# KiCad board Soldered Inkplate 4 TEMPERA with glass panel_panel.kicad_pcb (continued)
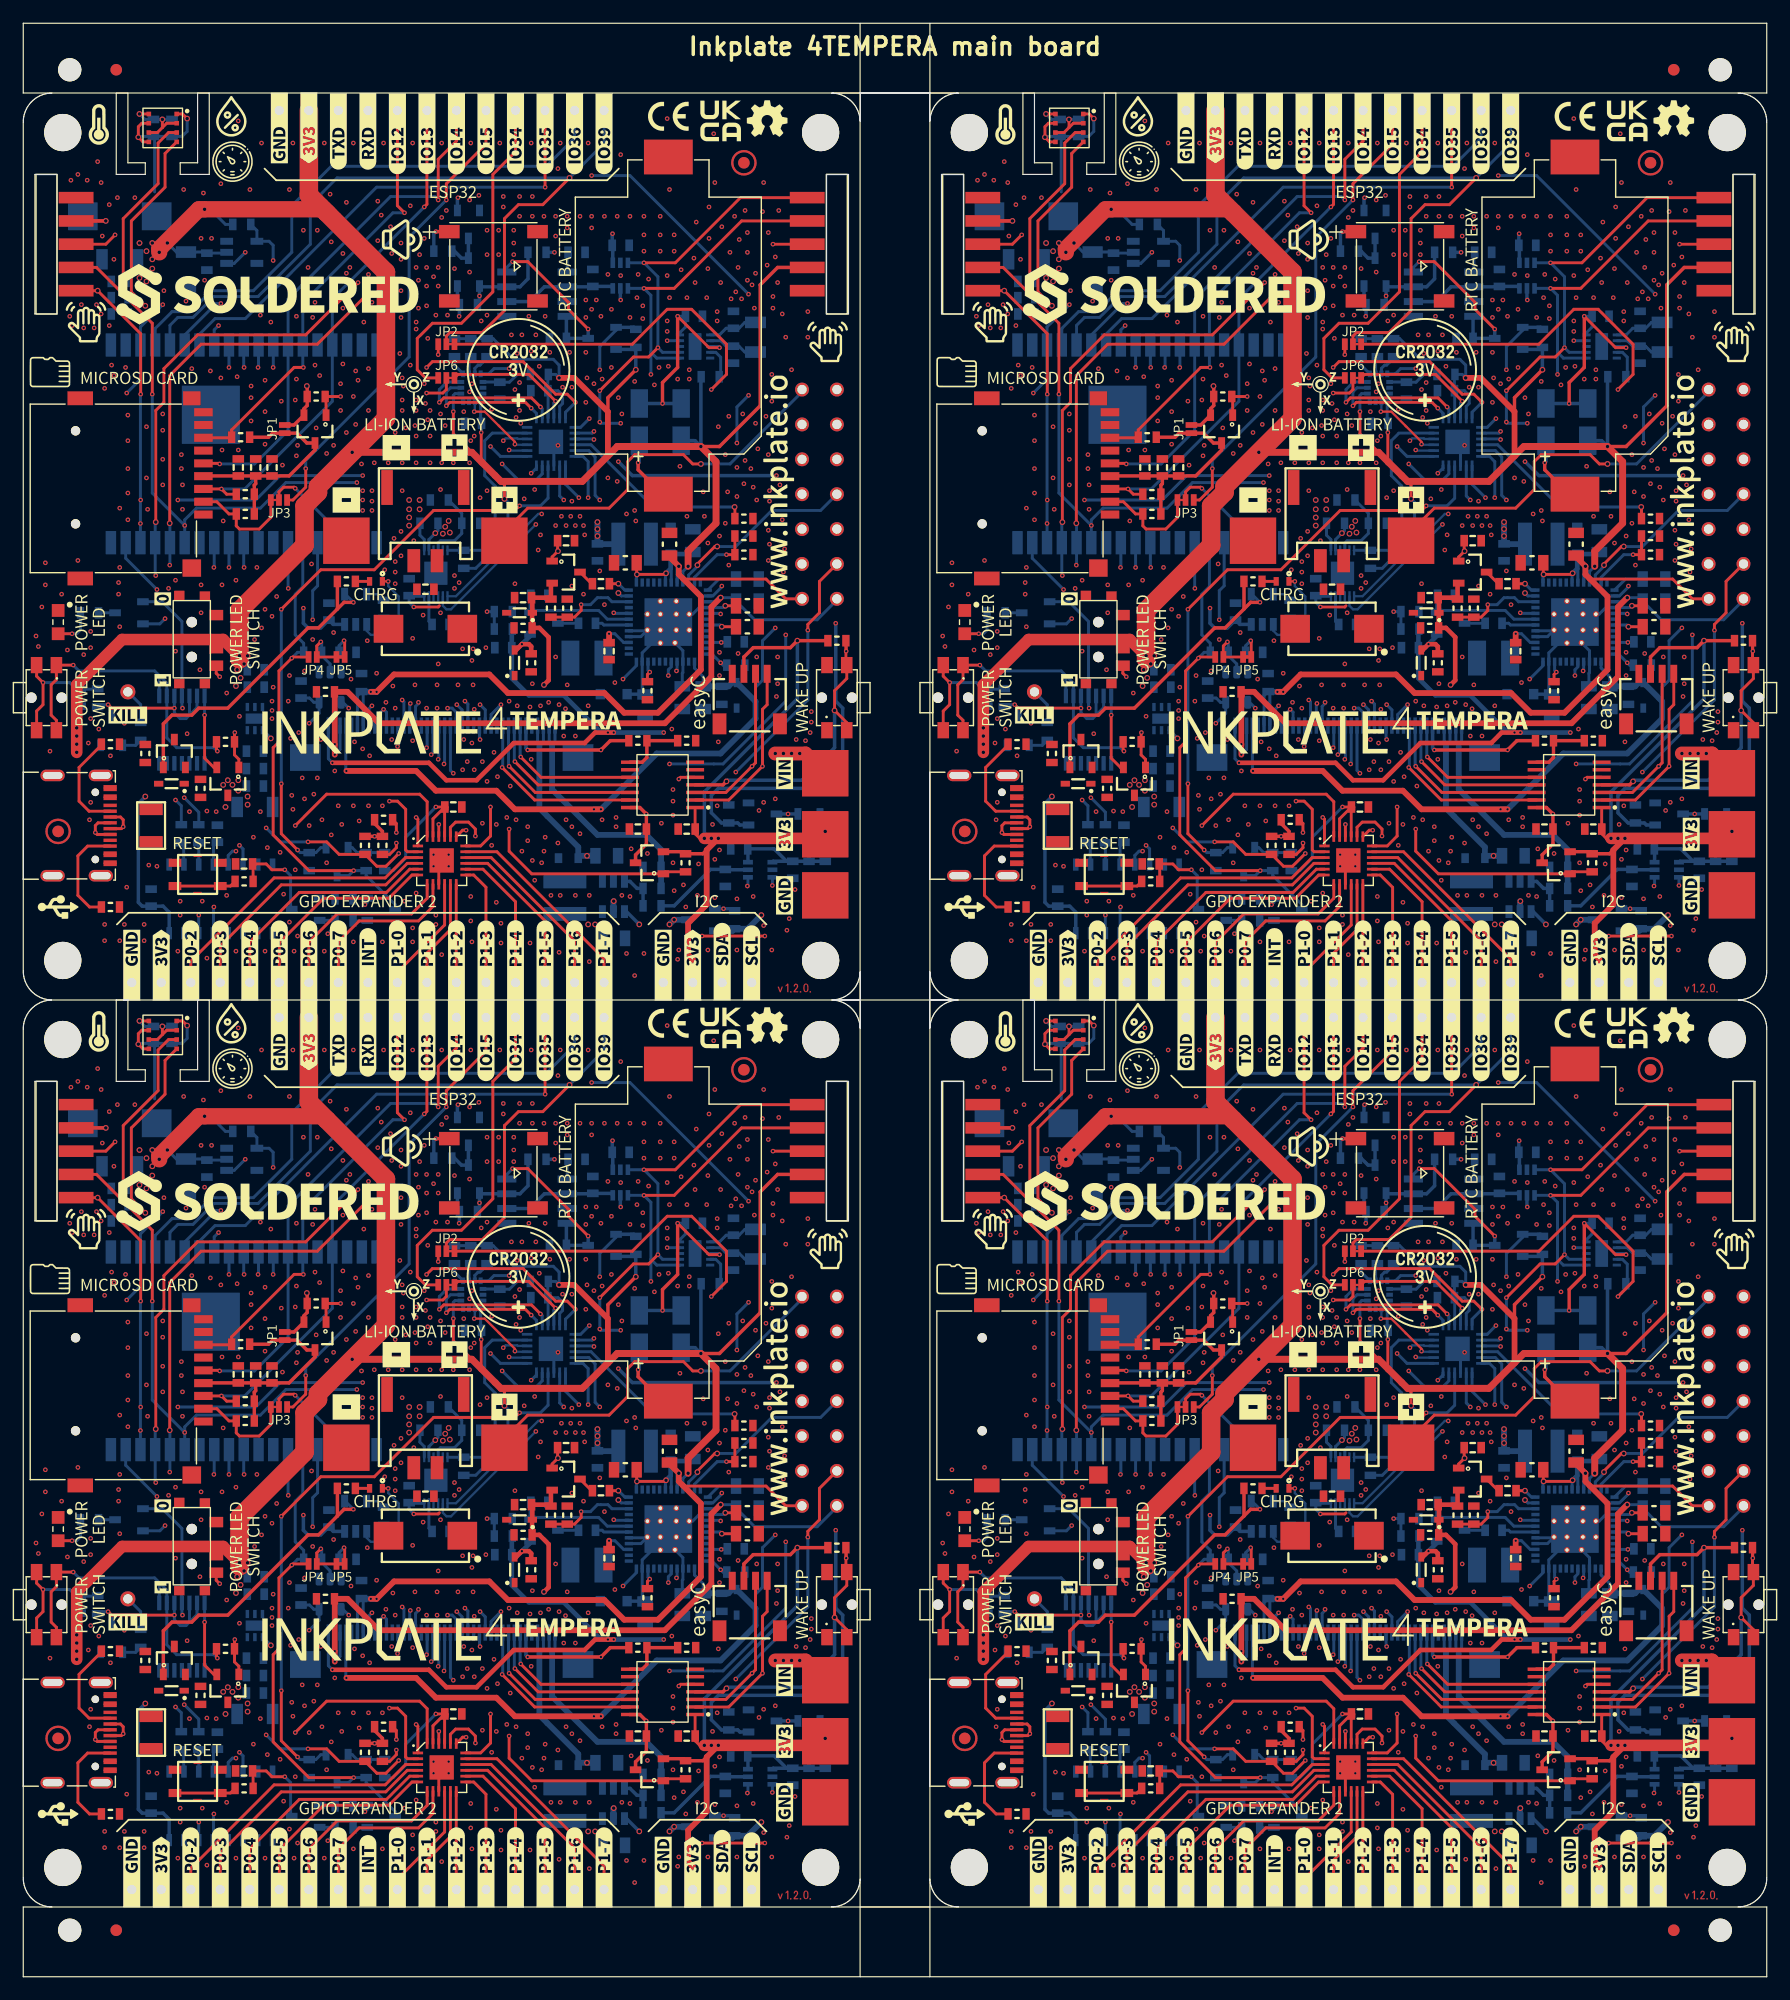
[diagram p0: board, top side]
## Routing (per net, layer and track width the routed paths; a pad name or vN(x,y) marks a point on that pad's centre or on a via; arc(x,y) is an arc through that point) (continued)
  Bottom w0.3: Q14#2.2 37.35,143.98 R61#4.2 37.53,142.83 v1(37.5,142.8) ; U18.8 46.73,142.73 C66#4.2 Q13#2.3 v1(48.6,141.7) ; U16#2.1 50.72,148.85 C60#2.2 50.67,149.87 v1(50.7,149.9)
Board_0-3V3_MICROSD: length 20.6
  Top w0.3: R44#4.2 21.1,132.4 21.45,132.75 JP1.1 23.55,132.75 24.4,131.9 Q8#2.3 25.1,131.3 22.87,129.07 C39#3.2 C40.2 ; K10#2.4 15.52,129.07 C41.2 C40.2 ; C40.2 20,128.4 19.88,128.28 R43.2 R42#3.2
Board_0-3V3_RTC: length 19.7
  Top w0.254: v1(59.9,140.1) 59,140.1 v1(56.3,142.8)
  Top w0.3: v1(56.3,142.8) 56.3,138.4 55,137.1 v1(55,135.3)
  Bottom w0.254: U8#2.10 56.5,141.4 56.97,141.87 C38#4.2 v1(56.3,142.8) ; U8#2.3 59.8,140.2 v1(59.9,140.1)
  Bottom w0.3: D12.2 D11#4.2
Board_0-3V3_TOUCH: length 24.5
  Top w0.3: v1(43.4,105.5) v1(49.7,105.5) 50.5,106.3 R46#2.2 ; U10.14 53.05,100.55 53.61,99.99 C49#4.1 53.61,97.41 52.68,96.48 Q11.3
  In2.Cu w0.3: v1(53.6,100) 53.6,101.6 v1(49.7,105.5)
  Bottom w0.3: K12#4.6 43.25,105.65 v1(43.4,105.5)
Board_0-/CTRL & COMS/BIN: length 6.3
  Bottom w0.254: U5#2.10 35.7,123.3 35.9,123.5 37.1,123.5 37.73,124.13 R28#2.1 37.73,125.85 R25.2
Board_0-/CTRL & COMS/CH_RXD: length 1.9
  Bottom w0.254: U6.3 15.1,95.66 R34#3.1
Board_0-/CTRL & COMS/CH_TXD: length 2
  Bottom w0.254: U6.2 13.8,95.68 13.8,97.33 R35#2.1
Board_0-/CTRL & COMS/DTR: length 17.2
  In1.Cu w0.254: v1(29.4,92.2) 16.6,92.2 v1(16.4,92)
  Bottom w0.254: R29#4.2 28.43,92.75 Q3#3.2 29.6,92.4 v1(29.4,92.2) ; U6.13 16.37,91.97 v1(16.4,92)
Board_0-/CTRL & COMS/RTS: length 16
  In1.Cu w0.254: v1(15.1,91.3) 24.6,91.3 v1(26.2,89.7)
  Bottom w0.254: v1(15.1,91.3) 15.1,91.3 U6.14 ; v1(26.2,89.7) 26.83,90.33 R30#4.2 26.78,90.85 Q2#3.2
Board_0-/E-paper/DAC_OUT: length 8.8
  Bottom w0.3: R50#3.2 56,92.1 59.13,95.23 C48#4.2 60.43,95.2 U9.5
Board_0-/MCU & GPIO Expanders/GPIO34: length 28.8
  Top w0.254: JP6#3.2 36.4,136.5 36.1,136.2 v1(34.7,136.2)
  In1.Cu w0.254: v1(34.7,136.2) 29,136.2 21.3,143.9 v1(17,143.9)
  Bottom w0.254: v1(17,143.9) 16.6,143.9 13.89,141.19 U14#3.6
Board_0-/MCU & GPIO Expanders/INTB: length 11.8
  Top w0.254: v1(45.8,135.5) 43.5,137.8 v1(43,137.8) 37.4,137.8 JP6#3.1
  Bottom w0.254: v1(43,137.8) 43.53,137.8 ; v1(45.8,135.5) 45.65,135.35 U13.22
Board_0-/POWER/INT_LDO: length 2.2
  Top w0.254: v2(60.1,116.1) 61.03,116.1
  Bottom w0.254: v2(60.1,116.1) 59.95,116.25 U1.7
Board_0-/POWER/TS: length 6.3
  Top w0.254: R12#3.2 R11.2 v1(60.5,122.3)
  Bottom w0.254: U1.47 57.75,120.35 59.7,122.3 v1(60.5,122.3)
Board_0-/POWER/VB: length 10.7
  Top w0.254: v2(55.3,120.7) 55.2,120.6 v2(52.8,120.6) 52.78,120.63 C12#4.2
  Bottom w0.254: v2(52.8,120.6) 52.75,120.55 U1.37 ; U1.43 55.75,121.05 55.7,121.1 55.25,120.65 U1.42
  Bottom w0.4: v2(55.3,120.7) 55.7,121.1 D2#2.1 57.43,122.35 C11.2
Board_0-/POWER/VN: length 19
  Top w0.254: C3#3.2 v2(60.4,117.9)
  Bottom w0.254: U1.28 53.14,115.25 U1.49 53.64,115.75 U1.29 ; 53.48,110.3 C5#3.2 53.25,110.53 U1.23 53.25,113.85 54.1,114.7 U1.49 ; U1.49 57.59,117.19 58.15,117.75 U1.4 60.25,117.75 v2(60.4,117.9) ; C8#2.2 56.7,112.1 56.75,112.15 U1.16 56.75,114.04 U1.49
  Bottom w0.3: D1#4.2 53.48,110.3
Board_0-/POWER/VREF: length 2.8
  Bottom w0.254: U1.1 59.85,120.2 C1#3.2
Board_0-/SD & RTC/X1: length 4.3
  Bottom w0.254: X1#4.1 62.09,142.28 61.58,141.77 C36.2 60.47,141.77 59.9,141.2 U8#2.1
Board_0-/SD & RTC/X2: length 4.3
  Bottom w0.254: U8#2.2 60,140.7 60.47,140.23 C37#2.2 61.57,140.23 62.08,139.73 X1#4.2
Board_0-BACKLIGHT_EN: length 68.7
  In1.Cu w0.3: v1(64.8,129.1) 67.8,129.1 68.5,128.4 68.5,117.8 v1(69.9,116.4)
  In2.Cu w0.3: v1(51.2,130.3) 44.7,130.3 v1(43.7,129.3)
  Bottom w0.254: v1(43.7,129.3) 44.15,129.75 U13.12
  Bottom w0.3: v1(64.8,129.1) 52.4,129.1 v1(51.2,130.3) ; Q10.1 61.65,99.05 61.48,99.23 R51#4.2 60.08,99.23 59.2,100.1 59.2,101.6 59.8,102.2 67.3,102.2 70.5,105.4 70.5,109.1 69.9,109.7 v1(69.9,116.4)
Board_0-BCK_ANODE: length 22.7
  In1.Cu w0.5: v2(50.8,92.5) 48.5,94.8 v2(48.5,96.4)
  Bottom w0.254: K12#4.4 44.25,106.05 44.4,105.9 44.75,106.25 K12#4.3
  Bottom w0.5: v2(50.8,92.5) 50.78,92.48 U12#2.5 ; v2(48.5,96.4) C50#3.2 47.95,96.4 D13.2 47.75,97.15 44.4,100.5 44.4,105.9
Board_0-BCK_CATHODE: length 22.3
  Bottom w0.254: K12#4.2 45.25,106.15 45.5,105.9 45.75,106.15 K12#4.1
  Bottom w0.5: R49.1 R48#4.2 54.88,96.93 53.6,98.2 49.4,98.2 45.5,102.1 45.5,105.9
Board_0-BCK_MOS: length 14.1
  In1.Cu w0.3: v1(65.8,100) 60.25,94.45 v1(60.25,91.85)
  Bottom w0.3: Q9.1 v1(65.8,100) Q10.3 ; Q12.1 61.03,91.85 R53.1
Board_0-BUZZER_EN: length 20.5
  In1.Cu w0.254: v1(41.8,131.3) 41.8,135.2 44.8,138.2 v1(49.6,138.2)
  Bottom w0.2: U13.14 41.85,131.25
  Bottom w0.254: v1(49.6,138.2) 49.6,140.2 51,141.6 Q13#2.1 ; v1(41.8,131.3) 41.85,131.25
  Bottom w0.3: Q13#2.1 52.53,141.85 R60.2
Board_0-CLKOUT_RTC: length 22.2
  Top w0.254: v1(35.7,139.5) JP2#4.1
  In1.Cu w0.254: v1(55.4,140.7) 36.9,140.7 v1(35.7,139.5)
  Bottom w0.254: U8#2.9 v1(55.4,140.7)
Board_0-D+: length 17.8
  Top w0.254: K2#2.B6 6.36,98.24 v1(6.2,98.4) 6.2,99 6.44,99.24 K2#2.A6
  In1.Cu w0.254: v1(6.2,98.4) 7.9,98.4 9.67,96.64 18.14,96.64 v1(18.3,96.8)
  Bottom w0.254: v1(18.3,96.8) 18,96.8 17.64,96.44 U6.5
Board_0-D-: length 15.5
  Top w0.254: K2#2.B7 8.36,99.74 8.6,99.5 v1(8.6,98.9) 8.44,98.74 K2#2.A7
  In1.Cu w0.254: v1(8.6,98.9) 10.2,97.3 v1(18.6,97.3)
  Bottom w0.254: v1(18.6,97.3) 18.91,97 U6.6
Board_0-EPD_CKV: length 48
  In1.Cu w0.254: v1(16.8,142) 20.7,142 22.8,139.9 22.8,127.8 39.3,111.3 v1(39.3,109.4)
  Bottom w0.254: v1(39.3,109.4) 39.75,108.95 K12#4.13 ; U14#3.8 16.43,141.63 v1(16.8,142)
Board_0-EPD_CL: length 8.4
  In1.Cu w0.254: v1(32.2,105.8) 31.04,105.8 28,108.84 v1(28,109.1)
  Bottom w0.254: v1(32.2,105.8) 32.25,105.85 K12#4.28 ; U11#2.4 27.5,109.6 v1(28,109.1)
Board_0-EPD_D0: length 25.8
  In1.Cu w0.254: v1(22.8,119.4) 22.8,115.4 30,108.2 30.9,108.2 33.4,105.7 v1(34.7,105.7)
  Bottom w0.254: K12#4.23 34.75,105.75 v1(34.7,105.7) ; U14#3.26 22.78,119.42 v1(22.8,119.4)
Board_0-EPD_D1: length 29.8
  In1.Cu w0.254: v1(19,121.2) 19,118.3 24.9,112.4 24.9,111.4 31.2,105.1 v1(35.1,105.1)
  Bottom w0.254: U14#3.29 18.97,121.23 v1(19,121.2) ; v1(35.1,105.1) 35.25,105.25 K12#4.22
Board_0-EPD_D2: length 32
  In1.Cu w0.254: v1(35.7,104.7) 35.4,104.4 31.3,104.4 17.7,118 v1(17.7,121.2)
  Bottom w0.254: v1(35.7,104.7) 35.75,104.75 K12#4.21 ; U14#3.30 v1(17.7,121.2)
Board_0-EPD_D3: length 35
  In1.Cu w0.254: v1(36.2,104.3) 35.6,103.7 30,103.7 16.4,117.3 v1(16.4,121.2)
  Bottom w0.254: U14#3.31 16.43,121.23 v1(16.4,121.2) ; K12#4.20 36.25,104.35 v1(36.2,104.3)
Board_0-EPD_D4: length 44.9
  In1.Cu w0.254: v1(37,103.5) 36,102.5 23.7,102.5 11.5,114.7 v1(11.5,119.3)
  Bottom w0.254: v1(37,103.5) 36.75,103.75 K12#4.19 ; U14#3.37 8.81,121.99 v1(11.5,119.3)
Board_0-EPD_D5: length 40.5
  In1.Cu w0.254: v1(19,138.4) 19,126.6 v1(36.5,109.1)
  Bottom w0.254: U14#3.10 18.97,138.43 v1(19,138.4) ; v1(36.5,109.1) 36.9,109.1 37.25,108.75 K12#4.18
Board_0-EPD_D6: length 40
  In1.Cu w0.254: v1(20.2,138.4) 20.2,127.5 37.3,110.4 v1(37.3,109.4)
  Bottom w0.254: v1(37.3,109.4) 37.75,108.95 K12#4.17 ; v1(20.2,138.4) 20.24,138.44 U14#3.11
Board_0-EPD_D7: length 39.7
  In1.Cu w0.254: v1(38,109.7) 38,111.3 21.5,127.8 v1(21.5,138.4)
  Bottom w0.254: K12#4.16 38.25,109.45 v1(38,109.7) ; v1(21.5,138.4) 21.51,138.41 U14#3.12
Board_0-EPD_GMODE: length 34.1
  In1.Cu w0.254: v1(39.3,106.4) 40.5,107.6 40.5,125.4 48,132.9 v1(49.1,132.9)
  Bottom w0.254: U13.2 48.95,132.75 v1(49.1,132.9) ; v1(39.3,106.4) 39.25,106.45 K12#4.14
Board_0-EPD_LE: length 19.6
  In1.Cu w0.254: v1(24.9,116.7) 31.8,109.8 v1(32.6,109.8)
  Bottom w0.254: U14#3.24 25.32,119.62 24.9,119.2 v1(24.9,116.7) ; v1(32.6,109.8) 32.75,109.65 K12#4.27
Board_0-EPD_OE: length 41.2
  In1.Cu w0.254: v1(33.3,109.5) 33.3,108.9 33.9,108.3 39.1,108.3 39.9,109.1 39.9,111.9 39.3,112.5 39.3,126.1 47.2,134 v1(48.7,134)
  Bottom w0.254: U13.1 47.95,133.25 v1(48.7,134) ; v1(33.3,109.5) 33.25,109.45 K12#4.26
Board_0-EPD_SPH: length 39.6
  In1.Cu w0.254: v1(34,109.6) 17.7,125.9 v1(17.7,138.4)
  Bottom w0.254: U14#3.9 v1(17.7,138.4) ; v1(34,109.6) 34,109.5 33.75,109.25 K12#4.25
Board_0-EPD_SPV: length 29.9
  In1.Cu w0.254: v1(41.1,109.4) 41.1,124.2 v1(49.1,132.2)
  Bottom w0.254: v1(49.1,132.2) 49.05,132.25 U13.3 ; v1(41.1,109.4) 40.25,108.55 K12#4.12
Board_0-GND: length 18.8
  Top w0.254: v2(14.1,159.8) 13.7,160.2 U19#4.1 ; U15#4.9 35.75,95.75 U15#4.25 ; U19#4.7 10.2,159.4 9.9,159.1 v2(9.9,158.2) 10.3,157.8 U19#4.5
  Bottom w0.254: 11.3,153.5 11.3,158.17 C64.1 ; v2(9.9,158.2) 9.97,158.27 C64.1 ; C64.1 C65.1 13.67,158.27 14.1,158.7 v2(14.1,159.8) ; U13.25 45.65,131.75 U13.9 ; 5.2,151.4 C54#3.2
  vias: v1(1.1,115.3) v1(1.3,114.4) v1(1.6,117.8) v1(1.9,121.6) v1(1.9,119.7) v1(2.3,105.4) v1(3.3,118.9) v1(3.8,114.1) v1(4,142.8) v1(4.1,154.5) v1(4.2,142) v1(4.7,155) v1(4.7,121.8) v1(5,143.8) v1(5.2,141.8) v1(5.2,113.7) v1(5.5,154.5) v1(5.6,106.1) v1(5.7,99.5) v1(5.8,115.7) v1(5.8,114.3) v1(5.8,108.2) v1(5.8,101) v1(6.1,141.8) v1(6.3,143.8) v1(6.4,156.1) v1(6.5,107.3) v1(6.7,154.3) v1(6.7,143) v1(6.8,149.7) v1(7,136.6) v1(7,90.5) v1(7,89.1) v1(7.4,152.4) v1(7.4,142) v1(7.5,105) v1(7.6,138.6) v1(7.8,147.7) v1(7.8,137.7) v1(8.1,153) v1(8.2,119.9) v1(8.2,118.9) v1(8.3,126.3) v1(8.3,121.2) v1(8.3,116.1) v1(8.3,89.1) v1(8.7,107.8) v1(8.7,90.5) v1(8.8,138.4) v1(8.9,93.7) v1(9,134.3) v1(9,132.1) v1(9,129.7) v1(9,127.6) v1(9,125.3) v1(9.6,153) v1(10.4,90.5) v1(10.4,89.1) v1(10.6,133.3) v1(10.6,128.9) v1(10.7,126.2) v1(10.8,95.6) v1(11.5,95.5) v1(12,134.4) v1(12,133) v1(12,130.5) v1(12,128.3) v1(12.1,145) v1(12.5,119.4) v1(13.1,120.1) v1(13.1,114) v1(13.3,88.2) v1(13.5,92.5) v1(13.5,91.3) v1(13.6,130.9) v1(13.6,129.7) v1(13.7,128.3) v1(13.7,126.2) v1(13.8,153.7) v1(14,144.1) v1(14.3,100.2) v1(14.5,138.3) v1(15.2,112.4) v1(15.3,149.5) v1(15.3,119.7) v1(15.3,117.3) v1(15.4,92.5) v1(15.5,153.4) v1(15.6,145.9) v1(15.8,100.25) v1(15.8,87.6) v1(16.1,138.1) v1(16.2,149.5) v1(16.6,100.2) v1(17,154.2) v1(17,137.5) v1(17.1,131.3) v1(17.1,119.7) v1(17.2,125.2) v1(17.5,110.4) v1(17.5,93) v1(18.3,120.1) v1(18.3,88.2) v1(18.4,137.6) v1(18.5,159.6) v1(18.5,131.3) v1(18.6,108.4) v1(19.5,153.7) v1(19.6,136.8) v1(19.6,135.8) v1(19.6,133.8) v1(19.9,115) v1(20.1,121.2) v1(20.4,142.9) v1(20.4,100.2) v1(20.5,157.7) v1(20.5,116) v1(20.8,137.3) v1(20.8,134.6) v1(20.8,131.8) v1(20.8,117.6) v1(20.8,88.2) v1(21,97.1) v1(21.3,142.3) v1(21.4,117) v1(21.4,109.7) v1(21.4,108.9) v1(21.4,108.2) v1(21.5,110.9) v1(21.8,118.7) v1(22.1,96.7) v1(22.2,135.5) v1(22.3,130) v1(22.4,93.1) v1(22.8,109.7) v1(22.9,153.7) v1(22.9,111.9) v1(22.9,90.7) v1(23,106.5) v1(23.1,101.6) v1(23.2,157.7) v1(23.2,100.4) v1(23.3,88.2) v1(23.4,135.6) v1(23.4,95.2) v1(23.5,142.8) v1(23.5,137.4) v1(23.5,130.8) v1(23.6,131.7) v1(23.6,89.5) v1(23.7,107) v1(24,103.1) v1(24.1,150.2) v1(24.2,112.3) v1(24.2,101.3) v1(24.5,147) v1(24.6,99) v1(24.8,121.5) v1(24.9,142.7) v1(24.9,115) v1(25,101.7) v1(25.1,144) v1(25.1,138.6) v1(25.2,133.2) v1(25.3,150.2) v1(25.3,103.1) v1(25.5,137.7) v1(25.6,106.4) v1(25.7,99.5) v1(25.9,157.7) v1(25.9,88.2) v1(26.1,131) v1(26.1,95.8) v1(26.4,153.3) v1(26.5,149.2) v1(26.7,131.7) v1(26.7,115.6) v1(26.8,103.7) v1(27.1,100.7) v1(27.3,137) v1(27.3,134.7) v1(27.4,99.1) v1(27.5,148.2) v1(27.5,143.5) v1(27.5,138.7) v1(27.8,152.6) v1(27.8,146.5) v1(27.8,132.8) v1(28.1,147) v1(28.2,111.6) v1(28.4,157.7) v1(28.4,135.9) v1(28.4,100.7) v1(28.4,89) v1(28.5,106.2) v1(28.6,138.1) v1(28.6,133.5) v1(28.8,137.3) v1(28.9,99.4) v1(29.1,130.1) v1(29.2,127.8) v1(29.2,127) v1(29.2,126.1) v1(29.2,105.6) v1(29.3,142.3) v1(29.6,114.9) v1(29.7,138.3) v1(29.7,134.7) v1(29.7,100.7) v1(29.8,105) v1(30,144) v1(30,127.8) v1(30,126.9) v1(30,126.1) v1(30.2,130.2) v1(30.4,112.1) v1(30.5,152.7) v1(30.5,149.3) v1(30.8,151.5) v1(30.9,100.7) v1(30.9,89) v1(31,157.7) v1(31.1,121) v1(31.2,109.6) v1(31.4,130.2) v1(31.6,150.5) v1(31.7,148.2) v1(31.7,106.4) v1(31.8,111) v1(31.9,123.7) v1(32,132.8) v1(32,121.7) v1(32,120.8) v1(32,119.8) v1(32,109.1) v1(32.4,139.6) v1(32.5,149.1) v1(32.5,147.7) v1(32.5,145) v1(32.5,142.7) v1(32.5,124.3) v1(32.5,122.2) v1(32.6,137.5) v1(32.6,135.6) v1(32.6,134.7) v1(32.6,130.2) v1(32.6,127.8) v1(32.7,136.8) v1(32.8,92.5) v1(32.9,133.2) v1(33.3,152.3) v1(33.3,138.6) v1(33.5,157.7) v1(33.5,115.1) v1(33.5,106.3) v1(33.5,90.2) v1(33.5,89) v1(33.6,123.5) v1(33.7,133.4) v1(33.7,111.1) v1(33.8,147) v1(33.8,142.3) v1(33.8,141.7) v1(33.8,135.6) v1(33.8,134.7) v1(33.8,132.5) v1(33.8,130.2) v1(33.8,93.2) v1(34,145.9) v1(34,143.5) v1(34.1,148.1) v1(34.4,117.1) v1(34.5,149.5) v1(34.5,137) v1(34.6,135.3) v1(34.7,147) v1(34.7,145.4) v1(34.7,143.7) v1(34.7,109.1) v1(34.8,140.9) v1(34.8,133.9) v1(35,134.7) v1(35,132.5) v1(35,130.2) v1(35.3,146.2) v1(35.3,96.5) v1(35.3,95.5) v1(35.5,142.9) v1(35.5,91.3) v1(35.5,90.5) v1(35.6,111.1) v1(35.6,109.1) v1(35.7,147) v1(35.7,145.4) v1(35.7,112.9) v1(35.9,134.4) v1(35.9,127.9) v1(35.9,117.3) v1(36,157.7) v1(36,151.3) v1(36,130.2) v1(36,87.9) v1(36.3,133.4) v1(36.4,151.9) v1(36.5,142.9) v1(36.6,96.5) v1(36.6,95.5) v1(37,130.2) v1(37.1,146.9) v1(37.1,120.5) v1(37.1,119.4) v1(37.4,111.1) v1(37.5,119.9) v1(37.8,114.2) v1(37.8,103.8) v1(37.9,134.6) v1(37.9,106.4) v1(38.2,104.5) v1(38.4,152.8) v1(38.4,146.6) v1(38.4,136.3) v1(38.4,130.2) v1(38.5,157.7) v1(38.5,132.1) v1(38.5,92.9) v1(38.5,90.8) v1(38.6,137) v1(38.6,113.2) v1(38.6,106.1) v1(38.6,89) v1(38.7,114.2) v1(38.7,111.1) v1(38.8,132.5) v1(38.8,109) v1(38.8,103.8) v1(39.2,153.2) v1(39.3,127.2) v1(39.4,142.4) v1(39.5,104.5) v1(39.5,99.2) v1(39.8,114.3) v1(39.9,150.2) v1(39.9,148.1) v1(39.9,142.9) v1(39.9,127.8) v1(39.9,102.8) v1(40.3,134.8) v1(40.3,97.3) v1(40.5,105.3) v1(40.7,99.1) v1(40.7,92.4) v1(40.8,103.2) v1(40.9,150.2) v1(40.9,148.1) v1(41,157.7) v1(41.1,90.6) v1(41.1,88.9) v1(41.3,153.1) v1(41.3,152.2) v1(41.6,99.7) v1(41.8,109.7) v1(41.9,102.4) v1(42,141.2) v1(42.2,150.2) v1(42.2,149.1) v1(42.2,148.1) v1(42.3,136.5) v1(42.3,119.8) v1(42.4,134.1) v1(42.4,99.5) v1(42.5,139.6) v1(42.5,109.3) v1(42.7,153.1) v1(42.7,151.4) v1(42.7,137.1) v1(42.7,134.7) v1(42.8,133.6) v1(42.9,141.2) v1(42.9,96.8) v1(43.1,127.1) v1(43.4,98.9) v1(43.4,97.7) v1(43.5,142.8) v1(43.6,109.2) v1(43.6,88.9) v1(43.7,157.7) v1(43.7,139.8) v1(43.7,104.7) v1(43.8,153.1) v1(43.8,151.4) v1(43.8,111.2) v1(43.8,96) v1(44,127.9) v1(44,94.3) v1(44.1,141.2) v1(44.3,122.7) v1(44.4,138.5) v1(44.5,124) v1(44.5,109.3) v1(44.6,95.8) v1(44.8,151.4) v1(44.8,96.8) v1(44.9,142.8) v1(44.9,98) v1(45.2,109.6) v1(45.3,139.7) v1(45.4,93) v1(45.8,151.4) v1(45.8,149.7) v1(45.8,124.8) v1(45.8,113.5) v1(46,155.5) v1(46,131.7) v1(46,97.5) v1(46.1,109.4) v1(46.1,88.1) v1(46.2,157.7) v1(46.2,93) v1(46.3,125.6) v1(46.4,136.7) v1(46.5,106.7) v1(46.65,109.05) v1(46.7,124.8) v1(46.7,99.5) v1(46.8,151.4) v1(46.8,150.4) v1(46.8,111.1) v1(47,139.7) v1(47.1,125.6) v1(47.2,136.7) v1(47.2,126.9) v1(47.2,119.6) v1(47.2,98.9) v1(47.5,124.8) v1(47.5,106.7) v1(47.5,93) v1(47.9,151.4) v1(47.9,125.6) v1(47.9,98.3) v1(48.2,124.8) v1(48.2,118.9) v1(48.3,124) v1(48.4,144.2) v1(48.4,142.7) v1(48.4,139.7) v1(48.4,135.4) v1(48.5,137.5) v1(48.6,157.7) v1(48.6,109.3) v1(48.7,93) v1(48.7,87.3) v1(48.9,151.4) v1(48.9,150.4) v1(48.9,143.4) v1(49.1,137) v1(49.3,144.2) v1(49.6,120.9) v1(49.7,142.8) v1(49.8,137.4) v1(49.8,99.5) v1(50,151.4) v1(50,118) v1(50.3,146.4) v1(50.3,128.9) v1(50.6,143.4) v1(50.6,138.4) v1(50.9,111.3) v1(51,99.7) v1(51,98.9) v1(51.1,151.4) v1(51.1,128.6) v1(51.2,135.8) v1(51.4,156.7) v1(51.4,146.3) v1(51.5,134.4) v1(51.5,93) v1(51.9,125.8) v1(51.9,88) v1(52.2,151.4) v1(52.2,142.7) v1(52.2,92.9) v1(52.3,97) v1(52.6,137.2) v1(52.6,126.1) v1(52.6,86.1) v1(52.7,125.2) v1(52.8,144.4) v1(52.9,146.4) v1(53.3,143.7) v1(53.3,142.6) v1(53.4,151.4) v1(53.4,149.8) v1(53.4,148.4) v1(53.4,88) v1(53.7,96.6) v1(53.8,146) v1(54.3,136.9) v1(54.7,138.4) v1(54.8,151.4) v1(54.8,149.8) v1(54.8,148.4) v1(54.9,99.2) v1(55.4,159.8) v1(55.4,146.3) v1(55.4,142.4) v1(55.4,141.5) v1(55.5,138.5) v1(55.6,153.7) v1(55.6,144.4) v1(55.8,107.3) v1(55.9,102.1) v1(55.9,101.1) v1(55.9,99.9) v1(55.9,95.8) v1(56,149.8) v1(56,148.4) v1(56,93.4) v1(56.3,137.4) v1(56.3,87.5) v1(56.4,88.3) v1(56.5,129.9) v1(56.6,146.8) v1(56.8,93.9) v1(57,92) v1(57.1,144.4) v1(57.1,125.6) v1(57.3,138.2) v1(57.3,137.4) v1(57.7,147.8) v1(57.8,145.7) v1(57.9,150.9) v1(58,93) v1(58.1,95.7) v1(58.5,127.7) v1(58.6,125.6) v1(58.8,144.4) v1(58.9,146.9) v1(58.9,123.3) v1(58.9,88.3) v1(59,152.2) v1(59,149.5) v1(59.3,99.1) v1(59.4,158.5) v1(59.5,154.3) v1(59.5,96.1) v1(59.5,92.8) v1(59.7,143.2) v1(59.7,142.4) v1(59.7,100.7) v1(59.8,133.3) v1(59.8,106.2) v1(59.9,123.9) v1(59.9,113.9) v1(59.9,111.9) v1(59.9,96.9) v1(60,145.7) v1(60.1,150.5) v1(60.4,130.9) v1(60.4,125) v1(60.6,127.7) v1(60.7,134.2) v1(60.7,121.4) v1(60.8,148.3) v1(60.9,144.3) v1(61.2,151.4) v1(61.3,144.9) v1(61.4,129.8) v1(61.4,127.3) v1(61.4,92.7) v1(61.4,88.3) v1(61.5,147) v1(61.5,113.8) v1(61.6,149.4) v1(61.8,144.3) v1(61.9,134.4) v1(62,128.4) v1(62.1,151.9) v1(62.1,130.4) v1(62.3,150) v1(62.3,148.3) v1(62.3,145.9) v1(62.6,129.7) v1(62.7,145.5) v1(62.8,128.1) v1(62.8,92.9) v1(62.9,143.5) v1(63,146.5) v1(63,133.6) v1(63.1,127) v1(63.1,113.5) v1(63.2,131.4) v1(63.3,100.3) v1(63.6,151.8) v1(63.7,154.3) v1(63.7,101) v1(63.7,90.4) v1(63.9,134.2) v1(64,147.2) v1(64.1,150) v1(64.1,130.9) v1(64.1,124.4) v1(64.1,121.8) v1(64.2,127.8) v1(64.2,126.9) v1(64.2,123.2) v1(64.4,137.8) v1(64.4,135.5) v1(64.4,88.3) v1(64.5,144.5) v1(64.5,143.5) v1(64.7,147.9) v1(64.7,101.3) v1(64.8,110.1) v1(64.9,145.7) v1(64.9,113.5) v1(64.9,111.2) v1(65,151.9) v1(65.1,128.3) v1(65.3,143) v1(65.3,125.3) v1(65.4,120.8) v1(65.5,122.8) v1(65.6,141) v1(65.7,90) v1(65.9,91) v1(66.1,138.2) v1(66.4,93.5) v1(66.5,106.4) v1(67.3,106.3) v1(67.5,143.2) v1(67.5,141) v1(67.7,107) v1(67.8,108.8) v1(67.8,107.9)
Board_0-GPIO15: length 40.9
  Top w0.254: v1(36.4,152.8) 36.4,154.2 39.81,157.61 K32#3.1 ; v1(24.3,129.7) 24.3,128.1 23.2,127 JP3#3.3
  Bottom w0.254: v1(36.4,152.8) 33.2,149.6 33.2,139.3 24.3,130.4 v1(24.3,129.7)
Board_0-GPIO_0: length 43.8
  Top w0.254: JP4.1 23.2,113.5 22,112.3 22,106.2 21.5,105.7 21.5,98.2 24.58,95.13 v1(28.43,95.13)
  Bottom w0.254: Q3#3.3 32,92.2 29.5,94.7 R22#2.1 v1(28.43,95.13) 28,94.7 Q1.3 ; v1(23.1,113.4) 23.6,113.9 R45.1 24.13,114.68 23.4,115.4 23.4,118.9 24.05,119.55 U14#3.25
Board_0-GPIO_0_MOSFET: length 53.7
  Top w0.254: v1(42.7,126.5) 42.3,126.1 35.3,126.1 30.2,121 25.6,121 v1(22.2,117.6) ; v1(23.6,96.9) 22.2,98.3 v1(22.2,102.6)
  Bottom w0.254: Q1.1 25.6,97.1 25.18,96.68 R20#4.2 23.83,96.68 v1(23.6,96.9) ; v1(22.2,117.6) v1(22.2,102.6) ; v1(42.7,126.5) 44.5,126.5 45.15,127.15 U13.10
Board_0-GPIO_36: length 137
  Top w0.254: v1(70.8,114) 70.8,114.88 R41#4.1 70.78,112.88 SW3#2.2 70.85,111.65 69.8,110.6 v2(69.8,108.9) 70.85,107.85 SW3#2.2
  Top w0.3: v2(60.5,102.8) 60.2,102.5 U10.4
  In1.Cu w0.254: v1(70.8,114) 65.7,114 63.6,116.1 63.6,129.7 v1(61.4,131.9) ; v1(48.9,154.9) 47.43,156.37 K25#3.1 ; v1(62.4,144.7) v1(62.4,136)
  Bottom w0.254: v1(48.9,154.9) 52.2,154.9 v1(62.4,144.7) ; v1(61.4,131.9) 61.4,135 v1(62.4,136) ; K25#3.1 47.43,158.13 45,155.7 26.5,155.7 23.1,152.3 23.1,148.3 19.8,145 16.2,145 14.4,143.2 12.8,143.2 11.35,141.75 U14#3.4
  Bottom w0.3: v2(69.8,108.9) 69.8,105.7 67,102.9 60.6,102.9 v2(60.5,102.8)
Board_0-GPIO_39: length 71.9
  Top w0.254: JP2#4.2 36.4,141.1 36.7,141.4 39.5,141.4 41.4,143.3 41.4,151.2 42.6,152.4 44.7,152.4 v2(47,154.7)
  Bottom w0.254: U14#3.5 12.62,142.02 13.3,142.7 14.6,142.7 16.4,144.5 20.2,144.5 24.7,149 24.7,152.4 27,154.7 v2(47,154.7) 49.97,157.67 K24#2.1
Board_0-GPOUT_FG: length 17.2
  Bottom w0.254: U5#2.12 R26#2.2 39.48,122.68 40.6,123.8 40.6,128.2 39.7,129.1 39.7,132.1 40.35,132.75 U13.17
Board_0-I2C_SCL: length 323.3
  Top w0.254: U15#4.19 37.8,98.6 v1(38.1,98.6) ; v1(36.4,135.1) 36.7,135.4 43.2,135.4 v1(43.7,134.9) ; v1(54.6,140.1) 53.8,139.3 52.5,139.3 v1(49.6,136.4) ; K42#3.1 v2(6.4,145) 10.1,141.3 v1(10.1,136.1) ; v1(32.1,97.5) 32.1,97.1 31.53,96.53 R1#2.1 ; v1(53.4,147.4) 56.1,147.4 61.7,153 K43#3.1 ; v2(10.5,143.7) 9.3,144.9 9.3,151 12.2,153.9 12.2,156.8 U19#4.4 ; U10.2 60.7,101.2 v1(63.6,104.1) 63.6,109 64,109.4 K4#3.1 ; v1(58.4,89.5) v1(63.8,89.5)
  In1.Cu w0.254: v1(49.6,133.7) 49.9,133.4 49.9,132 44.1,126.2 v1(44.1,124.9) ; v1(58.4,89.5) 45,89.5 42.1,92.4 42.1,97.2 40.7,98.6 v1(38.1,98.6) 37.98,98.48 33.08,98.48 v1(32.1,97.5) ; v1(26.5,98.2) 20.6,98.2 19.6,99.2 13.68,99.2 10.4,102.48 10.4,111.5 8.9,113 8.9,121.4 10.08,122.58 v1(10.08,124.98) ; v1(13.3,127) v1(10.1,127) ; v2(6.4,145) 9.2,145 v2(10.5,143.7) ; v1(51.4,133.6) 55.7,133.6 57,134.9 68.6,134.9 K1#2.6 ; v1(49.6,136.4) 49.3,136.1 44.4,136.1 43.7,135.4 v1(43.7,134.9) 43.7,131.9 40.9,129.1 v1(29.2,129.1) ; v1(56.2,112.3) 56.2,111.5 67.3,100.4 67.3,96.7 v1(64.45,93.85) 64.45,90.15 62.67,88.37 K6.1
  In2.Cu w0.254: v1(26.5,98.2) 27.2,97.5 v1(32.1,97.5)
  Bottom w0.2: U5#2.2 36.1,117.9 36.4,117.6 36.8,117.6 v1(44.1,124.9)
  Bottom w0.254: U8#2.7 55,139.7 v1(54.6,140.1) 54.6,146.2 v1(53.4,147.4) U16#2.3 ; U1.17 56.25,112.35 v1(56.2,112.3) ; U17#3.13 36.75,136.65 36.4,136.3 v1(36.4,135.1) ; v1(51.4,133.6) 49.7,133.6 v1(49.6,133.7) v1(49.6,136.4) ; U9.3 v1(64.45,93.85) ; v1(13.3,127) 20,127 22.1,129.1 v1(29.2,129.1) ; U14#3.36 v1(10.08,124.98) 10.08,136.08 v1(10.1,136.1) ; v1(43.7,134.9) 44.15,134.45 U13.19
Board_0-I2C_SCL_B: length 15.8
  Top w0.254: v1(41.2,104) 44,101.2 U10.13
  Bottom w0.254: K12#4.10 41.25,104.05 v1(41.2,104)
Board_0-I2C_SDA: length 316.9
  Top w0.254: U15#4.20 36.75,98.85 37.2,99.3 38.3,99.3 38.9,98.7 v1(38.9,98.1) ; v1(32.3,96.6) 31.2,95.5 30.43,95.5 R2#4.1 27.18,96.53 26.1,97.6 v1(24.5,97.6) ; v1(53.4,145.2) 56,145.2 61.8,151 K43#3.2 ; K42#3.2 6.3,147 11.1,142.2 v1(11.1,136.1) ; 8.6,144.7 8.6,151.2 11.6,154.2 11.6,157.7 12.5,158.6 U19#4.3 ; K4#3.2 63,104.4 v1(62.7,104.1) 60.45,101.85 U10.3 ; v1(35.8,135.4) 36.18,135.78 43.72,135.78 v1(44.5,135)
  In1.Cu w0.254: 51.05,134.85 v1(54,137.8) ; 51.05,134.85 50.5,134.3 50.5,131.8 ; 51.05,134.85 51,134.8 44.7,134.8 v1(44.5,135) ; 60.7,88.9 44.9,88.9 41.6,92.2 41.6,96.8 40.3,98.1 33.8,98.1 v1(32.3,96.6) ; 60.7,88.9 62.3,90.5 v1(62.3,93.8) 66.5,98 66.5,100.3 55.5,111.3 v1(55.5,111.9) ; 60.7,88.9 60.13,88.33 K7#2.1 ; v1(20.9,98.8) 20,99.7 13.88,99.7 11.2,102.38 11.2,111.8 9.6,113.4 9.6,120.6 13.81,124.81 v1(13.89,124.81) ; 50.5,131.8 51.4,132.7 63.3,132.7 64,132 68.5,132 K1#2.5 ; 50.5,131.8 44.6,125.9 v1(44.6,125.8) ; 47,134.8 47,134.5 41,128.5 v1(28.7,128.5)
  Bottom w0.2: U5#2.1 37.23,118.73 44.3,125.8 v1(44.6,125.8)
  Bottom w0.254: U9.4 62.35,93.85 v1(62.3,93.8) ; v1(24.5,97.6) 22.1,97.6 v1(20.9,98.8) ; v1(13.89,124.81) 13.89,125.29 14.9,126.3 20.4,126.3 22.6,128.5 v1(28.7,128.5) ; v1(13.89,124.81) U14#3.33 ; v1(13.89,124.81) 11.1,127.6 v1(11.1,136.1) ; 54,139.7 54.5,139.2 U8#2.6 ; 54,139.7 v1(54,137.8) ; 54,139.7 54,144.6 v1(53.4,145.2) U16#2.4 ; v1(35.8,135.4) 35.8,136.5 36.45,137.15 U17#3.14 ; U1.18 55.75,112.65 55.5,112.4 v1(55.5,111.9) ; v1(44.5,135) 44.65,134.85 U13.20
Board_0-I2C_SDA_B: length 14.9
  Top w0.254: v1(41.8,104.1) 44.05,101.85 U10.12
  Bottom w0.254: v1(41.8,104.1) 41.75,104.15 K12#4.9
Board_0-INT: length 21.9
  In1.Cu w0.254: v1(47.8,127.2) 48.6,128 53.4,128 60.1,121.3 v1(60.1,119.6)
  Bottom w0.254: v1(47.8,127.2) 46.65,128.35 U13.7 ; U1.2 59.33,118.75 60.1,119.52 v1(60.1,119.6)
Board_0-INT1_LSM: length 11.2
  In1.Cu w0.254: v1(41.8,138.3) 41.8,135.9 41.3,135.4 v1(41.3,132.1)
  Bottom w0.2: U13.16 42.55,132.25 42.5,132.3 41.5,132.3 v1(41.3,132.1)
  Bottom w0.254: v1(41.8,138.3) 40.5,138.3 40.05,137.85 U17#3.4
Board_0-INT2_LSM: length 6.7
  Top w0.2: v1(42.3,131.8) 42.3,132 39.7,134.6 v1(38.8,134.6)
  Bottom w0.2: U17#3.9 38.85,134.65 v1(38.8,134.6) ; v1(42.3,131.8) 42.35,131.75 U13.15
Board_0-INT_APDS: length 86.7
  Top w0.254: K42#3.3 7.1,149 v1(7.9,149.8) ; v1(64.5,149) K43#3.3
  In1.Cu w0.254: v1(41.2,130.1) 40.8,130.5 40.8,138.2 40.9,138.3 ; 40.9,138.3 40.4,137.8 36.6,137.8 34,140.4 32,140.4 22,150.4 15.1,150.4 14.5,149.8 v1(7.9,149.8) ; 40.9,138.3 41.6,139 54.5,139 v1(64.5,149)
  Bottom w0.254: U13.11 44.65,129.25 44.1,128.7 42.6,128.7 v1(41.2,130.1)
Board_0-MANUAL_RST: length 83.8
  Top w0.254: R32#4.2 19.78,95.66 C34#2.2 20.9,95.7 21.4,95.2 v1(22.5,95.2)
  In1.Cu w0.254: v1(21.5,147.6) 19.2,147.6 6.53,134.93 6.53,110.07 6.7,109.9 6.7,109 8.6,107.1 8.6,101.2 11.8,98 18.7,98 21.5,95.2 v1(22.5,95.2)
  Bottom w0.254: v1(21.5,147.6) 21.5,148.9 21.15,149.25 U4#2.4 20.1,150.18 R27.1 ; v1(22.5,95.2) 23,94.7 23,91.9 Q2#3.3
Board_0-Net-(C16-Pad1): length 1.8
  Bottom w0.254: C16.1 D6#4.3
Board_0-Net-(C17-Pad2): length 1.5
  Top w0.254: C17#3.2 48.9,119.8 D7.3
Board_0-Net-(C28-Pad1): length 2.5
  Bottom w0.254: U5#2.5 34.9,116.57 C28#3.1
Board_0-Net-(C33-Pad2): length 2.1
  Bottom w0.254: U6.4 16.37,97.24 C33#4.2
Board_0-Net-(C35-Pad2): length 11
  Top w0.254: SW2#4.2 1.15,108.85 1.7,109.4 v1(1.7,111.3) 1.15,111.85 SW2#4.2
  Bottom w0.254: v1(1.7,111.3) 4,111.3 4.57,110.73 C35#4.2 6.36,110.73 R37#3.1
Board_0-Net-(C43-Pad1): length 11.7
  Bottom w0.3: C44.1 C43#4.1 ; C44.1 C45#4.1 ; C44.1 Q9.3 ; C45#4.1 65.67,95.93 64.6,97 C47#2.2 62.35,96.98 U9.6 ; C45#4.1 64.53,95.93 U9.1
